# KiCad board TimeMachine.kicad_pcb
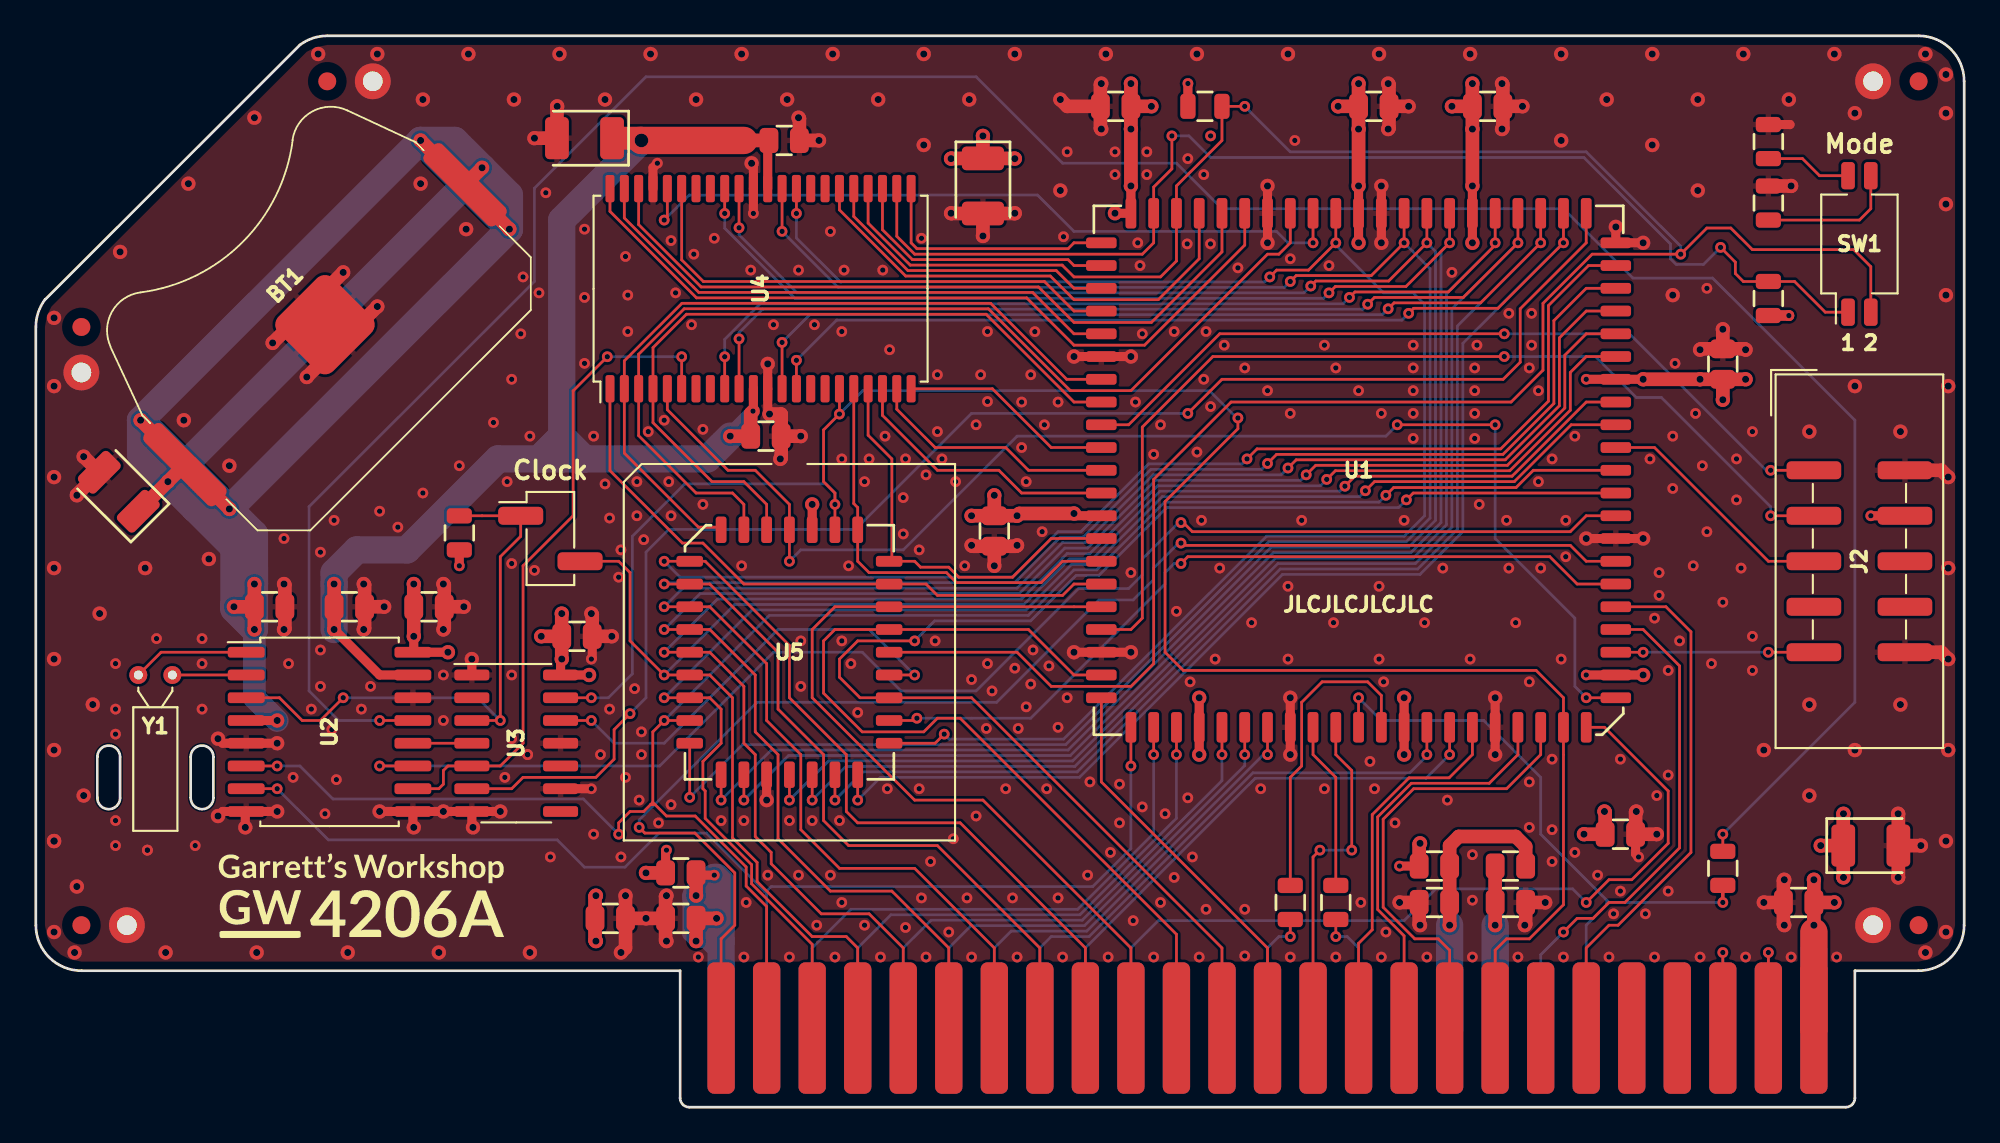
[diagram p0: board, top side]
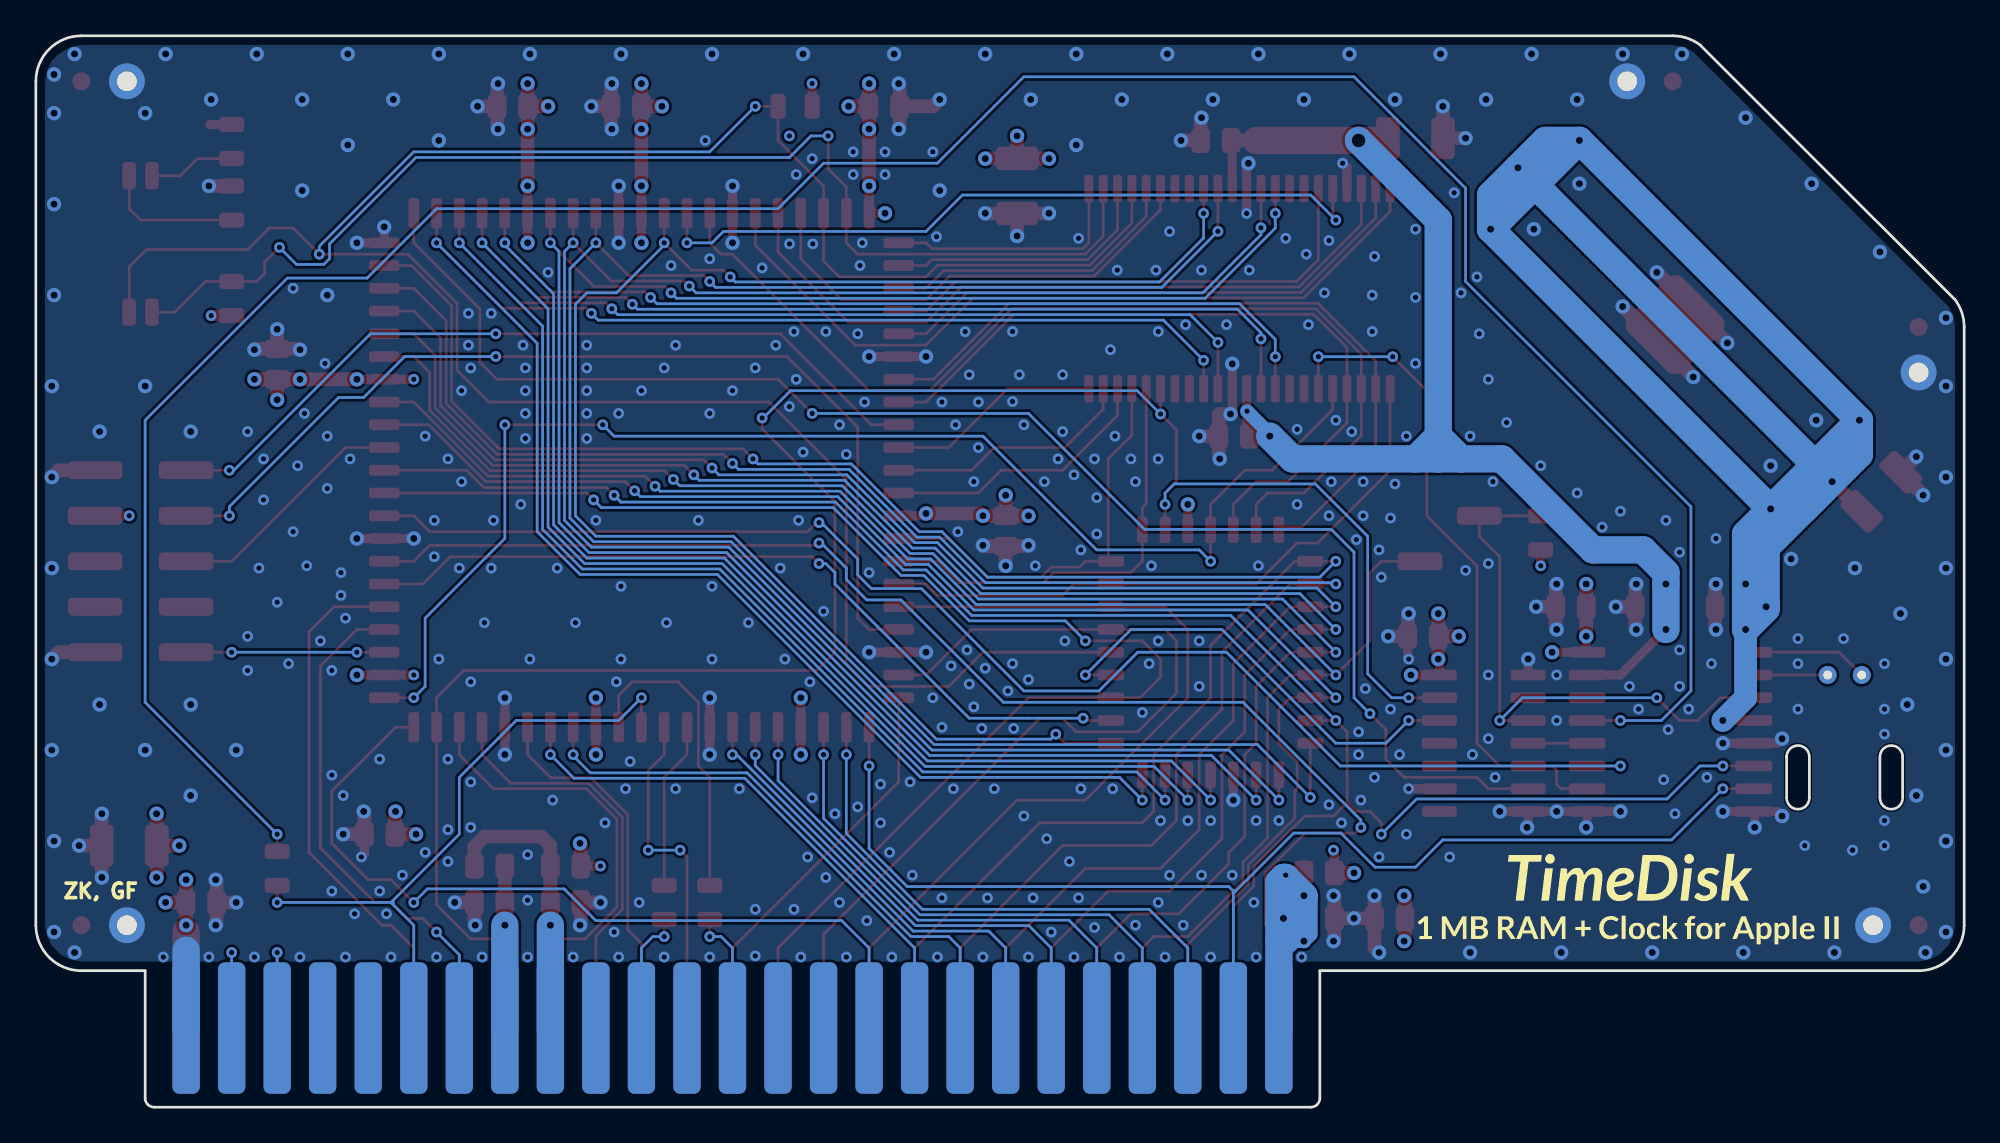
[diagram p1: board, bottom side, seen from below]

Outline 107.57 x 59.82 mm; copper layers: Top, In1.Cu (plane), In2.Cu (plane), Bottom. Coordinates in mm from the lower left corner of the outline.
Outline path: 0.51,45.09 arc(0.13,44.36) 0,43.56 0,10.16 arc(0.74,8.36) 2.54,7.62 35.94,7.62 35.94,0.51 arc(36.09,0.15) 36.45,0 100.97,0 arc(101.32,0.15) 101.47,0.51 101.47,7.62 105.03,7.62 arc(106.83,8.36) 107.57,10.16 107.57,57.28 arc(106.83,59.07) 105.03,59.82 16.26,59.82 arc(15.45,59.69) 14.73,59.31 0.51,45.08 ; 3.43,19.56 3.43,17.27 arc(4.06,16.64) 4.7,17.27 4.7,19.56 arc(4.06,20.19) 3.43,19.56 ; 8.64,19.56 8.64,17.27 arc(9.27,16.64) 9.91,17.27 9.91,19.56 arc(9.27,20.19) 8.64,19.56
Stack: Top 0.035mm / dielectric 0.48mm FR4 er 4.5 / In1.Cu 0.035mm / dielectric 0.48mm FR4 er 4.5 / In2.Cu 0.035mm / dielectric 0.48mm FR4 er 4.5 / Bottom 0.035mm

## Placement (name value [footprint] x y rotation side)
BT1  CR2032  [Keystone_3034_CR2032]  16.13 43.69 225 top
C1  2u2  [C_0805]  98.34 11.43 180 top
C2  2u2  [C_0805]  88.39 15.24 0 top
C3  2u2  [C_0805]  94.11 41.49 90 top
C4  2u2  [C_0805]  80.99 55.88 0 top
C5  2u2  [C_0805]  74.64 55.88 0 top
C6  2u2  [C_0805]  60.24 55.88 180 top
C7  2u2  [C_0805]  53.47 32.17 270 top
C8  2u2  [C_0805]  30.19 26.29 0 top
C9  2u2  [C_0805]  21.93 27.94 0 top
C10  DNP  [CP_EIA-3528]  102.36 14.6 0 top
C11  DNP  [CP_EIA-3528]  52.83 51.43 270 top
C12  10u  [C_0805]  13.04 27.94 0 top
C13  DNP  [CP_EIA-3528]  4.63 34.36 135 top
C14  10u  [C_0805]  17.49 27.94 0 top
C15  10u  [C_0805]  40.73 37.46 0 top
C16  10u  [C_0805]  41.74 53.97 0 top
C17  DNP  [CP_EIA-3528]  30.61 54.1 180 top
C18  2u2  [C_0805]  35.98 10.54 180 top
C19  2u2  [C_0805]  78.02 11.43 0 top
C20  DNP  [C_0805]  78.02 13.46 0 top
C21  2u2  [C_0805]  82.26 11.43 180 top
C24  DNP  [C_0805]  82.26 13.46 0 top
C25  DNP  [C_0805]  35.98 13.08 180 top
C26  2u2  [C_0805]  32.04 10.54 0 top
FID1  -  [Fiducial]  105.03 57.28 270 top
FID2  -  [Fiducial]  2.54 43.56 90 top
FID3  -  [Fiducial]  16.26 57.28 90 top
FID4  -  [Fiducial]  105.03 10.16 0 top
FID5  -  [Fiducial]  2.54 10.16 0 top
G***  -  [LOGO]  18.15 11.6 0 top
G***#2  -  [LOGO]  18.73 11.82 180 bottom
H1  -  [PasteHole_1.1mm_PTH]  102.49 57.28 270 top
H2  -  [PasteHole_1.1mm_PTH]  2.54 41.02 90 top
H3  -  [PasteHole_1.1mm_PTH]  18.8 57.28 90 top
H4  -  [PasteHole_1.1mm_PTH]  102.49 10.16 0 top
H5  -  [PasteHole_1.1mm_PTH]  5.08 10.16 0 top
J1  AppleIIBus  [AppleIIBus_Edge]  68.71 4.32 0 top
J2  JTAG  [IDC_SMD_2x05_P2.54mm_Vertical]  101.73 30.48 0 top
JP2  Clock  [PinHeader_1x02_P2.54mm_Vertical_SMD_Pin1Left]  28.7 31.75 0 top
R1  15  [R_0805]  69.98 11.43 270 top
R2  22k  [R_0805]  65.22 55.88 180 top
R3  15  [R_0805]  72.52 11.43 270 top
R4  22k  [R_0805]  23.62 32.06 270 top
R5  1k  [R_0805]  96.65 50.48 270 top
R6  15  [R_0805]  94.11 13.33 270 top
R7  22k  [R_0805]  96.65 45.15 270 top
R8  1k  [R_0805]  96.65 53.91 270 top
SW1  Mode  [SW_DIP_SPSTx02_Slide_DSHP02TS_P1.27mm]  101.73 48.2 0 top
U1  EPM7128SL84  [PLCC-84]  73.79 35.56 180 top
U2  DS1315S-5  [SOIC-16_7.5mm]  16.38 20.95 270 top
U3  74AHCT04  [SOIC-14_3.9mm]  26.8 20.32 270 top
U4  AS6C8008  [TSOP-II-44_400mil_P0.8mm]  40.43 45.7 0 top
U5  39F040  [PLCC-32_SMDSocket]  42.04 25.4 270 top
Y1  32k768  [Crystal_C26-LF_D2.1mm_L6.5mm_Horizontal]  5.72 24.13 0 top

## Footprints (pads in the part's own frame, mm; a bottom-side part is the same pattern mirrored in y, then rotated)
AppleIIBus_Edge
  rrect 1.524x7.34 smd: 1(-30.48,0.1) 2(-27.94,0.1) 3(-25.4,0.1) 4(-22.86,0.1) 5(-20.32,0.1) 6(-17.78,0.1) 7(-15.24,0.1) 8(-12.7,0.1) 9(-10.16,0.1) 10(-7.62,0.1) 11(-5.08,0.1) 12(-2.54,0.1) 13(0,0.1) 14(2.54,0.1) 15(5.08,0.1) 16(7.62,0.1) 17(10.16,0.1) 18(12.7,0.1) 19(15.24,0.1) 20(17.78,0.1) 21(20.32,0.1) 22(22.86,0.1) 23(25.4,0.1) 24(27.94,0.1) 25(30.48,0.1)
  rrect 1.524x7.34 smd far side: 26(30.48,0.1) 27(27.94,0.1) 28(25.4,0.1) 29(22.86,0.1) 30(20.32,0.1) 31(17.78,0.1) 32(15.24,0.1) 33(12.7,0.1) 34(10.16,0.1) 35(7.62,0.1) 36(5.08,0.1) 37(2.54,0.1) 38(0,0.1) 39(-2.54,0.1) 40(-5.08,0.1) 41(-7.62,0.1) 42(-10.16,0.1) 43(-12.7,0.1) 44(-15.24,0.1) 45(-17.78,0.1) 46(-20.32,0.1) 47(-22.86,0.1) 48(-25.4,0.1) 49(-27.94,0.1) 50(-30.48,0.1)
C_0805
  rrect 1.05x1.4 smd: 1(-0.85,0) 2(0.85,0)
CP_EIA-3528
  rrect 1.325x2.35 smd: 1(-1.538,0) 2(1.538,0)
Crystal_C26-LF_D2.1mm_L6.5mm_Horizontal
  round 1 hole 0.5: 1(0,0) 2(1.9,0)
Fiducial
  round 1 smd: ~(0,0)
IDC_SMD_2x05_P2.54mm_Vertical
  rrect 3.048x1 smd: 1(-2.54,5.08) 2(2.54,5.08) 3(-2.54,2.54) 4(2.54,2.54) 5(-2.54,0) 6(2.54,0) 7(-2.54,-2.54) 8(2.54,-2.54) 9(-2.54,-5.08) 10(2.54,-5.08)
Keystone_3034_CR2032
  rrect 1.397x5.588 smd: 1(-11.049,0) 1(11.049,0)
  rrect 4.3x4.3 smd: 2(0,0)
PasteHole_1.1mm_PTH
  round 2 hole 1.1: 1(0,0)
PinHeader_1x02_P2.54mm_Vertical_SMD_Pin1Left
  rrect 2.51x1 smd: 1(-1.655,1.27) 2(1.655,-1.27)
PLCC-32_SMDSocket
  rrect 1.475x0.6 smd: 1(-6.838,0) 2(-6.838,-1.27) 3(-6.838,-2.54) 4(-6.838,-3.81) 14(6.838,-3.81) 15(6.838,-2.54) 16(6.838,-1.27) 17(6.838,0) 18(6.838,1.27) 19(6.838,2.54) 20(6.838,3.81) 30(-6.838,3.81) 31(-6.838,2.54) 32(-6.838,1.27)
  rrect 0.6x1.475 smd: 5(-5.08,-5.562) 6(-3.81,-5.562) 7(-2.54,-5.562) 8(-1.27,-5.562) 9(0,-5.562) 10(1.27,-5.562) 11(2.54,-5.562) 12(3.81,-5.562) 13(5.08,-5.562) 21(5.08,5.562) 22(3.81,5.562) 23(2.54,5.562) 24(1.27,5.562) 25(0,5.562) 26(-1.27,5.562) 27(-2.54,5.562) 28(-3.81,5.562) 29(-5.08,5.562)
PLCC-84
  rrect 0.6x1.7 smd: 1(0,14.35) 2(-1.27,14.35) 3(-2.54,14.35) 4(-3.81,14.35) 5(-5.08,14.35) 6(-6.35,14.35) 7(-7.62,14.35) 8(-8.89,14.35) 9(-10.16,14.35) 10(-11.43,14.35) 11(-12.7,14.35) 33(-12.7,-14.35) 34(-11.43,-14.35) 35(-10.16,-14.35) 36(-8.89,-14.35) 37(-7.62,-14.35) 38(-6.35,-14.35) 39(-5.08,-14.35) 40(-3.81,-14.35) 41(-2.54,-14.35) 42(-1.27,-14.35) 43(0,-14.35) 44(1.27,-14.35) 45(2.54,-14.35) 46(3.81,-14.35) 47(5.08,-14.35) 48(6.35,-14.35) 49(7.62,-14.35) 50(8.89,-14.35) 51(10.16,-14.35) 52(11.43,-14.35) 53(12.7,-14.35) 75(12.7,14.35) 76(11.43,14.35) 77(10.16,14.35) 78(8.89,14.35) 79(7.62,14.35) 80(6.35,14.35) 81(5.08,14.35) 82(3.81,14.35) 83(2.54,14.35) 84(1.27,14.35)
  rrect 1.7x0.6 smd: 12(-14.35,12.7) 13(-14.35,11.43) 14(-14.35,10.16) 15(-14.35,8.89) 16(-14.35,7.62) 17(-14.35,6.35) 18(-14.35,5.08) 19(-14.35,3.81) 20(-14.35,2.54) 21(-14.35,1.27) 22(-14.35,0) 23(-14.35,-1.27) 24(-14.35,-2.54) 25(-14.35,-3.81) 26(-14.35,-5.08) 27(-14.35,-6.35) 28(-14.35,-7.62) 29(-14.35,-8.89) 30(-14.35,-10.16) 31(-14.35,-11.43) 32(-14.35,-12.7) 54(14.35,-12.7) 55(14.35,-11.43) 56(14.35,-10.16) 57(14.35,-8.89) 58(14.35,-7.62) 59(14.35,-6.35) 60(14.35,-5.08) 61(14.35,-3.81) 62(14.35,-2.54) 63(14.35,-1.27) 64(14.35,0) 65(14.35,1.27) 66(14.35,2.54) 67(14.35,3.81) 68(14.35,5.08) 69(14.35,6.35) 70(14.35,7.62) 71(14.35,8.89) 72(14.35,10.16) 73(14.35,11.43) 74(14.35,12.7)
R_0805
  rrect 0.85x1.4 smd: 1(-0.95,0) 2(0.95,0)
SOIC-14_3.9mm
  rrect 0.6x1.95 smd: 1(-3.81,-2.475) 2(-2.54,-2.475) 3(-1.27,-2.475) 4(0,-2.475) 5(1.27,-2.475) 6(2.54,-2.475) 7(3.81,-2.475) 8(3.81,2.475) 9(2.54,2.475) 10(1.27,2.475) 11(0,2.475) 12(-1.27,2.475) 13(-2.54,2.475) 14(-3.81,2.475)
SOIC-16_7.5mm
  rrect 0.6x2.05 smd: 1(-4.445,-4.65) 2(-3.175,-4.65) 3(-1.905,-4.65) 4(-0.635,-4.65) 5(0.635,-4.65) 6(1.905,-4.65) 7(3.175,-4.65) 8(4.445,-4.65) 9(4.445,4.65) 10(3.175,4.65) 11(1.905,4.65) 12(0.635,4.65) 13(-0.635,4.65) 14(-1.905,4.65) 15(-3.175,4.65) 16(-4.445,4.65)
SW_DIP_SPSTx02_Slide_DSHP02TS_P1.27mm
  rrect 0.76x1.524 smd: 1(-0.635,-3.81) 2(0.635,-3.81) 3(0.635,3.81) 4(-0.635,3.81)
TSOP-II-44_400mil_P0.8mm
  rrect 0.5x1.525 smd: 1(-8.4,-5.588) 2(-7.6,-5.588) 3(-6.8,-5.588) 4(-6,-5.588) 5(-5.2,-5.588) 6(-4.4,-5.588) 7(-3.6,-5.588) 8(-2.8,-5.588) 9(-2,-5.588) 10(-1.2,-5.588) 11(-0.4,-5.588) 12(0.4,-5.588) 13(1.2,-5.588) 14(2,-5.588) 15(2.8,-5.588) 16(3.6,-5.588) 17(4.4,-5.588) 18(5.2,-5.588) 19(6,-5.588) 20(6.8,-5.588) 21(7.6,-5.588) 22(8.4,-5.588) 23(8.4,5.588) 24(7.6,5.588) 25(6.8,5.588) 26(6,5.588) 27(5.2,5.588) 28(4.4,5.588) 29(3.6,5.588) 30(2.8,5.588) 31(2,5.588) 32(1.2,5.588) 33(0.4,5.588) 34(-0.4,5.588) 35(-1.2,5.588) 36(-2,5.588) 37(-2.8,5.588) 38(-3.6,5.588) 39(-4.4,5.588) 40(-5.2,5.588) 41(-6,5.588) 42(-6.8,5.588) 43(-7.6,5.588) 44(-8.4,5.588)

## Nets
+5V: C1.1 C2.1 C3.1 C4.1 C5.1 C6.1 C7.1 C8.1 C9.1 C10.1 C11.1 C20.1 C25.2 C26.1 J1.25 J2.4 R2.2 R4.2 R7.2 U1.3 U1.13 U1.26 U1.38 U1.43 U1.53 U1.66 U1.78 U2.16 U3.14 U5.32
+12V: C18.1 C25.1 J1.50
-5V: C19.2 C20.2 C24.2 J1.34
-12V: C21.2 C24.1 J1.33
GND: BT1.2 C1.2 C2.2 C3.2 C4.2 C5.2 C6.2 C7.2 C8.2 C9.2 C10.2 C11.2 C12.2 C13.2 C14.2 C15.2 C16.2 C17.2 C18.2 C19.1 C21.1 C26.2 H1.1 H2.1 H3.1 H4.1 H5.1 J1.26 J2.2 J2.10 R5.1 R8.1 U1.7 U1.19 U1.32 U1.42 U1.47 U1.59 U1.72 U1.82 U2.5 U2.8 U2.9 U2.14 U3.1 U3.7 U3.9 U3.11 U4.12 U4.34 U4.41 U5.16
+5C: C14.1 C15.1 C16.1 C17.1 U2.15 U4.11 U4.33
+BATT: BT1.1 C12.1 C13.1 U2.4
/7M: J1.36 R3.2
/7Mr: R3.1 U1.83
/A0: J1.2 U1.22 U2.6 U5.12
/A1: J1.3 U1.24 U5.11
/A2: J1.4 JP2.2 U1.25 U5.10
/A3: J1.5 U1.27 U5.9
/A4: J1.6 U1.28 U5.8
/A5: J1.7 U1.29 U5.7
/A6: J1.8 U1.30 U5.6
/A7: J1.9 U1.31 U5.5
/A8: J1.10 U1.70 U5.27
/A9: J1.11 U1.73 U5.26
/A10: J1.12 U1.21 U5.23
/A11: J1.13 U1.74
/A12: J1.14 U1.84
/A13: J1.15 U1.6
/A14: J1.16 U1.8
/A15: J1.17 U1.9
/COLORREF: J1.35
/C~{RES}: R6.1 U2.13
/D0: J1.49 U1.75 U2.7
/D1: J1.48 U1.76
/D2: J1.47 U1.77
/D3: J1.46 U1.79
/D4: J1.45 U1.80
/D5: J1.44 U1.81
/D6: J1.43 U1.4
/D7: J1.42 U1.5
/DMA: J1.22
/DMAin: J1.24 J1.27
/DS~{OE}: U2.12 U3.4
/DS~{WE}: JP2.1 R4.1 U2.3 U3.3
/INTin: J1.23 J1.28
/PHI0: J1.40
/PHI1: J1.38 R1.2
/PHI1r: R1.1 U1.2
/Q3: J1.37
/RA0: U1.55 U4.25
/RA1: R7.1 SW1.1 U1.52 U4.24
/RA2: U1.54 U4.23
/RA3: U1.63 U4.22
/RA4: U1.64 U4.21
/RA5: U1.48 U4.44
/RA6: U1.58 U4.43
/RA7: U1.49 U4.42
/RA8: U1.57 U4.39
/RA9: U1.50 U4.28
/RA10: U1.56 U4.27
/RA11: R2.1 SW1.2 U1.51 U4.26 U5.25
/RA12: U1.60 U4.2 U5.4
/RA13: U1.69 U4.1 U5.28
/RA14: U1.67 U4.19 U5.29
/RA15: U1.46 U4.3 U5.3
/RA16: U1.61 U4.4 U5.2
/RA17: U1.68 U4.18 U5.30
/RA18: U1.12 U4.5 U5.1
/RA19: U1.65 U4.20
/RAMCS: U1.45 U4.40
/RAMROMCSgb: U1.33 U3.6
/RAMROM~{CS}: U1.20 U2.11
/RAMROM~{CS}g: U2.10 U3.5 U4.6
/RD0: U1.41 U4.32 U5.13
/RD1: U1.40 U4.35 U5.14
/RD2: U1.39 U4.36 U5.15
/RD3: U1.37 U4.9 U5.17
/RD4: U1.36 U4.10 U5.18
/RD5: U1.35 U4.13 U5.19
/RD6: U1.34 U4.14 U5.20
/RD7: U1.44 U4.31 U5.21
/RDY: J1.21
/ROM~{CS}: U1.17 U5.22
/R~{W}: J1.18 U1.10 U3.13 U4.17 U5.31
/TCK: J2.1 U1.62
/TDI: J2.9 U1.14
/TDO: J2.3 U1.71
/TMS: J2.5 U1.23
/USER1: J1.39
/VIDSYNC: J1.19
/~{DEVSEL}: J1.41 U1.11
/~{INH}: J1.32 U1.15
/~{IOSEL}: J1.1 U1.18
/~{IOSTRB}: J1.20 U1.16
/~{IRQ}: J1.30
/~{NMI}: J1.29
/~{OE}: U3.12 U5.24
/~{RES}: J1.31 R6.2 U1.1
Net-(R8-Pad2): R8.2 SW1.4
Net-(SW1-Pad3): R5.2 SW1.3
Net-(U2-Pad1): U2.1 Y1.1
Net-(U2-Pad2): U2.2 Y1.2

Pads without a net: FID1 ~; FID2 ~; FID3 ~; FID4 ~; FID5 ~; J2 6 7 8; U3 2 8 10; U4 7 8 15 16 29 30 37 38

## Via types
v1: diameter 0.8, hole 0.4, Top to Bottom, 242 vias
v2: diameter 0.6, hole 0.3, Top to Bottom, 452 vias
v3: diameter 1.524, hole 0.762, Top to Bottom, 1 via

## Routing (per net, layer and track width the routed paths; a pad name or vN(x,y) marks a point on that pad's centre or on a via; arc(x,y) is an arc through that point)
+5V: length 105.1
  Top w0.508: v1(22.99,25.4) U2.16 21.08,25.45 v1(21.08,26.29) ; 23.62,31.11 v2(23.62,30.23) ; U5.32 v1(43.31,33.65) ; v1(30.86,24.13) U3.14 29.27,24.95 v1(29.34,25.02) ; v1(76.33,22.86) U1.3 v1(76.33,19.68) ; v1(89.66,40.64) U1.26 v2(86.49,40.64) ; v1(73.79,48.26) U1.43 v1(73.79,51.43) ; v1(64.9,19.68) U1.78 v1(64.9,22.86) ; v1(80.14,48.26) U1.38 v1(80.14,51.43) ; v2(86.49,24.13) U1.13 v1(89.66,24.13) ; v1(61.09,51.43) U1.53 60.2,49.91 v1(60.2,49.91) ; 104.37,33.02 v2(102.36,33.02) ; v2(35.18,14.35) 35.13,14.3 C25.2 ; U1.66 58.04,33.02 v1(57.91,33.15) ; C20.1 v2(76.07,13.46) ; v2(64.27,57.15) R2.2
  Top w0.6: v2(97.79,44.2) 97.78,44.2 R7.2
  Top w0.762: v1(21.08,29.21) C9.1 v1(21.08,26.29) ; C11.1 54.6,52.97 v1(54.61,52.96) ; C11.1 v1(52.83,54.23) ; C11.1 51.07,52.97 v1(51.05,52.96) ; v1(29.34,25.02) C8.1 ; C8.1 v1(29.34,27.56) ; C8.1 v1(28.19,26.29) ; C1.1 v1(100.33,11.43) ; C1.1 v1(99.19,12.7) ; C1.1 v1(99.19,10.16) 99.19,9.78 ; C4.1 v1(80.14,57.15) ; C4.1 v1(80.14,54.61) v1(80.14,51.43) ; C4.1 v1(78.99,55.88) ; C6.1 v1(61.09,54.61) v1(61.09,51.43) ; C6.1 v1(61.09,57.15) ; C6.1 v1(62.23,55.88) ; C5.1 v1(73.79,57.15) ; C5.1 v1(72.64,55.88) ; C5.1 v1(73.79,54.61) v1(73.79,51.43) ; v1(86.36,15.24) C2.1 87.54,16.47 v1(87.5,16.51) ; C3.1 v1(95.38,40.64) ; C3.1 v1(94.11,39.5) ; C3.1 v1(92.84,40.64) v1(89.66,40.64) ; C7.1 v1(53.47,34.16) ; C7.1 v1(52.2,33.02) ; C7.1 v1(54.74,33.02) 54.86,33.15 v1(57.91,33.15) ; v1(100.84,12.83) 100.82,12.84 C10.1 ; C10.1 100.82,16.37 v1(100.84,16.38) ; C10.1 v1(99.57,14.6) ; C25.2 v1(34.04,13.08) ; C20.1 77.17,14.68 v1(77.22,14.73) ; v1(31.24,9.27) 31.19,9.32 C26.1 31.19,11.76 v1(31.24,11.81)
  Top w1.524: 99.19,4.32 99.19,9.78
+12V: length 35.9
  Top w0.508: v2(37.85,12.95) 36.96,12.95 C25.1
  Top w0.762: v1(37.97,10.54) C18.1 v1(36.83,9.27) ; C25.1 v1(36.83,11.81)
  Bottom w0.762: v1(37.97,10.54) 37.21,10.54 36.83,10.16 ; 36.83,10.16 38.23,8.76 38.23,4.32 38.23,8.38 37.34,9.27 v1(36.83,9.27) ; 36.83,10.16 v1(36.83,9.27) ; v1(36.83,9.27) 36.45,9.65 36.45,11.81 v1(36.83,11.81) ; v1(36.83,9.27) 38.23,9.27
  Bottom w1.524: 38.23,4.32 38.23,10.29 ; 38.23,10.29 v1(37.97,10.54) 36.83,11.68 v1(36.83,11.81) 37.85,12.83 37.97,12.83 38.23,12.57 38.23,10.29
-5V: length 16.1
  Top w0.762: v1(78.87,10.16) C19.2 C20.2 78.87,14.6 79.38,15.11 82.55,15.11 83.11,14.56 C24.2
  Bottom w1.524: 78.87,4.32 v1(78.87,10.16)
-12V: length 9.1
  Top w0.762: v1(81.41,10.16) C21.2 C24.1
  Bottom w1.524: 81.41,4.32 v1(81.41,10.16)
GND: length 153.4
  Top w0.508: U2.9 v1(19.18,16.51) ; U2.9 21.03,15.67 v1(21.08,15.62) ; U2.9 v1(22.73,16.51) U3.7 ; v1(11.68,15.62) 11.68,16.46 U2.8 ; U2.8 v1(13.46,16.51) ; U2.8 10.41,16.51 v1(10.16,16.26) ; v1(13.46,20.32) U2.5 10.41,20.32 v1(10.16,20.57) ; v1(40.83,41.5) U4.12 40.83,38.8 v1(40.93,38.7) ; v2(40.03,49.9) U4.34 40.03,52.6 v1(39.93,52.7) ; C8.2 31.04,25.07 v2(30.99,25.02) ; U3.7 v1(25.91,16.51) ; U3.7 24.32,15.68 v1(24.38,15.62) ; v2(89.41,13.97) 89.24,14.14 C2.2 ; v1(88.14,49.15) 88.14,49.15 U1.32 v1(89.66,48.26) ; v1(61.09,25.4) U1.72 v1(57.91,25.4) ; v1(81.41,19.68) U1.7 v1(81.41,22.86) ; v1(75.06,48.26) U1.42 v1(75.06,51.43) ; v1(68.71,51.43) U1.47 v1(68.71,48.26) ; v1(61.09,41.91) U1.59 v1(57.91,41.91) ; v1(69.98,19.68) U1.82 v1(69.98,22.86) ; v1(86.49,31.75) U1.19 v1(89.66,31.75) ; U5.16 v1(40.77,17.14) ; U4.41 34.43,52.46 v2(34.67,52.7) ; R8.1 97.85,54.86 97.85,54.86 ; U3.9 v2(30.99,17.78) ; U3.1 24.32,25.02 v1(24.32,25.02)
  Top w0.762: v1(27.81,54.1) C17.2 29.07,55.87 v1(29.08,55.88) ; C6.2 57.53,55.88 v1(57.15,56.26) ; C6.2 59.39,57.1 v1(59.44,57.15) ; C6.2 59.39,54.66 v1(59.44,54.61) ; v1(13.84,26.67) 13.89,26.72 C12.2 13.89,29.16 v1(13.84,29.21) ; v1(22.73,29.21) 22.78,29.16 C9.2 ; C14.2 18.34,29.16 v1(18.29,29.21) ; C14.2 v1(19.43,27.94) ; C14.2 18.34,26.72 v1(18.29,26.67) ; C9.2 v1(23.88,27.94) ; C9.2 22.78,26.72 v1(22.73,26.67) ; v1(54.61,49.91) 54.6,49.9 C11.2 ; C11.2 51.07,49.9 v1(51.05,49.91) ; C11.2 v1(52.83,48.64) ; v1(30.99,27.56) 31.04,27.51 C8.2 v1(32.13,26.29) ; v1(42.54,55.24) 42.59,55.2 C16.2 v1(43.69,53.97) ; v1(2.29,34.16) 2.29,34.19 C13.2 v1(2.67,36.32) ; v1(41.53,36.19) 41.58,36.24 41.58,37.46 ; 41.58,37.46 v1(42.67,37.46) ; 41.58,37.46 41.58,38.69 41.56,38.7 v1(40.93,38.7) ; v1(83.06,10.16) 83.11,10.21 C21.1 v1(84.2,11.43) ; C1.2 97.49,10.21 v1(97.54,10.16) ; C1.2 97.49,12.65 v1(97.54,12.7) ; C1.2 v1(96.39,11.43) ; v1(76.07,11.43) C19.1 77.17,10.21 v1(77.22,10.16) ; v1(90.42,15.24) C2.2 89.24,16.47 v1(89.28,16.51) ; C3.2 95.33,42.34 v1(95.38,42.29) ; C3.2 v1(94.11,43.43) ; C3.2 92.89,42.34 v1(92.84,42.29) ; C4.2 v1(82.93,55.88) ; C4.2 81.84,54.66 v1(81.79,54.61) ; C4.2 81.84,57.1 v1(81.79,57.15) ; C5.2 v1(76.58,55.88) ; C5.2 75.49,57.1 v1(75.44,57.15) ; C5.2 75.49,54.66 v1(75.44,54.61) ; 104.37,25.4 106.3,25.4 v1(106.68,25.02) ; 104.37,35.56 106.3,35.56 v1(106.68,35.18) ; C7.2 v1(53.47,30.23) ; C7.2 52.25,31.32 v1(52.2,31.37) ; C7.2 54.69,31.32 v1(54.74,31.37) ; C18.2 v1(34.04,10.54) C26.2 ; C18.2 35.13,9.32 v1(35.18,9.27) ; C18.2 35.13,11.76 v1(35.18,11.81) ; v1(103.89,16.38) 103.9,16.37 C10.2 ; C10.2 103.9,12.84 v1(103.89,12.83) ; C10.2 v1(105.16,14.6) ; C26.2 32.89,8.89 v1(32.64,8.64) ; C26.2 v1(32.89,11.81) ; BT1.2 16.13,41.78 v1(15.11,40.77) ; BT1.2 16.13,45.59 v1(17.14,46.61) ; BT1.2 14.22,43.69 v1(13.21,42.67) ; BT1.2 18.03,43.69 v1(19.05,44.7) ; v1(97.92,51.43) 97.91,51.43 R5.1
  Bottom w1.524: 99.19,4.32 99.19,8.76
  vias: v1(1.02,44.07) v1(1.02,40.26) v1(1.02,35.18) v1(1.02,30.1) v1(1.02,25.02) v1(1.02,19.94) v1(1.02,14.86) v1(1.02,14.86) v1(1.02,9.78) v1(2.16,8.64) v1(2.29,12.32) v1(2.67,17.4) v1(3.17,22.48) v1(3.56,27.56) v1(4.7,47.75) v1(6.1,30.1) v1(7.24,8.64) v1(8.25,38.35) v1(8.51,51.56) v1(9.65,30.61) v1(10.79,35.81) v1(12.19,55.24) v1(12.32,8.64) v1(15.75,58.8) v1(17.4,8.64) v1(19.05,58.8) v1(21.46,51.56) v1(21.59,56.26) v1(22.48,8.64) v1(24,49.02) v1(24.13,58.8) v1(26.67,56.26) v1(27.56,8.64) v1(29.21,58.8) v1(31.75,56.26) v1(34.29,58.8) v1(36.83,56.26) v1(39.37,58.8) v1(41.91,56.26) v1(44.45,58.8) v1(46.99,56.26) v1(49.53,58.8) v1(49.53,53.72) v1(52.07,56.26) v1(54.61,58.8) v1(57.15,51.18) v1(59.69,58.8) v1(64.77,58.8) v1(69.85,58.8) v1(74.93,58.8) v1(80.01,58.8) v1(85.09,58.8) v1(85.09,53.97) v1(87.63,56.26) v1(90.17,58.8) v1(90.17,53.72) v1(91.31,45.34) v1(92.71,56.26) v1(92.71,51.18) v1(95.25,58.8) v1(96.39,19.94) v1(97.79,56.26) v1(98.93,37.72) v1(98.93,22.48) v1(98.93,17.4) v1(100.33,58.8) v1(101.47,55.5) v1(101.47,40.26) v1(101.47,19.94) v1(104.01,37.72) v1(104.01,22.48) v1(105.41,58.8) v1(105.41,8.64) v1(106.55,57.66) v1(106.55,55.5) v1(106.55,50.42) v1(106.55,45.34) v1(106.55,14.86) v1(106.55,9.78) v1(106.68,40.26) v1(106.68,30.1) v1(106.68,19.94) v2(4.44,24.76) v2(4.44,22.22) v2(4.44,20.83) v2(4.44,16) v2(4.44,14.6) v2(6.22,14.35) v2(6.22,14.35) v2(6.73,26.16) v2(8.89,14.6) v2(9.27,26.16) v2(9.27,24.76) v2(9.27,22.22) v2(13.84,31.75) v2(14.1,24.76) v2(14.35,18.41) v2(15.37,22.22) v2(15.88,30.99) v2(15.88,25.53) v2(15.88,23.49) v2(16.13,16.38) v2(16.51,21.08) v2(16.64,32.77) v2(16.76,18.29) v2(18.16,22.22) v2(18.67,23.49) v2(19.18,33.27) v2(20.19,32.38) v2(21.59,34.29) v2(22.73,24.13) v2(22.73,21.59) v2(23.62,35.81) v2(25.53,38.23) v2(26.16,18.41) v2(26.29,34.92) v2(26.54,40.64) v2(26.54,30.35) v2(26.54,24.13) v2(26.54,20.57) v2(27.05,43.18) v2(27.18,46.35) v2(27.43,19.68) v2(27.43,19.68) v2(27.56,37.46) v2(27.81,29.97) v2(28.07,45.47) v2(28.45,51.05) v2(28.7,13.97) v2(30.61,49.02) v2(30.61,45.21) v2(30.61,41.53) v2(31.11,37.46) v2(31.11,15.24) v2(31.5,19.68) v2(31.75,34.8) v2(32,32.89) v2(32,22.22) v2(32.51,29.59) v2(32.64,31.11) v2(32.64,13.97) v2(32.89,47.5) v2(32.89,18.41) v2(33.02,45.34) v2(33.02,43.31) v2(33.4,23.37) v2(33.53,34.92) v2(33.53,33.02) v2(33.66,17.14) v2(33.78,20.95) v2(33.78,19.68) v2(33.91,31.69) v2(34.16,37.72) v2(34.73,15.87) v2(35.05,38.35) v2(35.31,34.92) v2(35.43,48.39) v2(35.43,33.02) v2(35.43,16.89) v2(35.69,45.47) v2(36.58,43.69) v2(36.7,47.62) v2(36.96,8.38) v2(37.21,37.85) v2(37.21,33.65) v2(37.85,48.51) v2(38.23,16) v2(39.37,30.23) v2(39.5,16) v2(39.5,8.38) v2(39.62,11.43) v2(39.88,46.74) v2(40.83,12.95) v2(41.15,43.69) v2(42.04,16) v2(42.04,8.38) v2(42.54,46.74) v2(42.54,12.95) v2(42.67,26.03) v2(42.67,23.49) v2(43.31,16) v2(43.43,43.69) v2(43.56,10.16) v2(44.32,48.89) v2(44.32,12.95) v2(44.58,8.38) v2(44.83,16) v2(44.96,43.31) v2(44.96,36.19) v2(44.96,26.03) v2(44.96,11.43) v2(45.08,46.74) v2(45.34,30.23) v2(45.47,24.76) v2(45.85,22.03) v2(46.23,34.92) v2(46.23,10.16) v2(46.48,36.19) v2(47.12,8.38) v2(47.24,46.74) v2(47.37,37.46) v2(47.5,17.78) v2(47.62,42.29) v2(48.39,34.04) v2(48.39,32) v2(48.51,36.19) v2(48.51,10.03) v2(49.28,31.11) v2(49.28,17.78) v2(49.4,48.51) v2(49.4,11.68) v2(49.66,35.31) v2(49.66,8.38) v2(49.91,13.72) v2(50.16,26.03) v2(50.29,40.89) v2(50.29,37.72) v2(50.55,36.19) v2(50.93,9.78) v2(51.18,14.99) v2(51.31,34.92) v2(51.82,30.23) v2(51.94,11.68) v2(52.2,23.88) v2(52.2,8.38) v2(52.45,38.1) v2(52.45,16.26) v2(52.7,40.89) v2(53.02,21.15) v2(53.09,43.31) v2(53.09,39.4) v2(53.09,24.76) v2(53.34,23.24) v2(54.1,17.78) v2(54.48,11.68) v2(54.61,24.51) v2(54.74,8.38) v2(54.8,21.15) v2(54.99,39.37) v2(54.99,36.83) v2(55.25,34.92) v2(55.25,22.35) v2(55.5,40.89) v2(55.5,23.62) v2(55.63,25.53) v2(55.73,43.3) v2(56.13,32.13) v2(56.26,38.1) v2(56.39,17.78) v2(56.51,24.64) v2(57.02,39.37) v2(57.02,21.21) v2(57.02,11.68) v2(57.28,8.38) v2(57.33,48.6) v2(57.53,53.34) v2(57.53,22.86) v2(58.67,12.95) v2(58.8,18.16) v2(59.82,8.38) v2(59.94,14.22) v2(60.2,53.34) v2(60.2,52.07) v2(60.45,18.03) v2(60.45,15.87) v2(61.09,29.84) v2(61.21,10.41) v2(61.34,39.37) v2(61.47,48.26) v2(61.59,46.99) v2(61.72,43.18) v2(61.72,16.76) v2(61.98,53.34) v2(61.98,52.07) v2(62.36,36.45) v2(62.36,8.38) v2(62.74,38.1) v2(62.74,11.43) v2(62.99,16.38) v2(63.5,43.31) v2(63.5,12.83) v2(63.63,27.69) v2(64.26,52.96) v2(64.23,48.2) v2(64.26,17.27) v2(64.39,23.75) v2(64.52,13.97) v2(64.77,36.58) v2(64.9,8.38) v2(65.02,32.77) v2(65.15,52.07) v2(65.15,40.64) v2(65.28,43.31) v2(65.28,11.05) v2(65.53,48.2) v2(65.53,39.12) v2(65.79,25.02) v2(66.04,30.1) v2(66.29,42.54) v2(67.06,46.86) v2(67.44,41.27) v2(67.44,11.05) v2(67.44,8.45) v2(67.82,27.05) v2(68.33,17.78) v2(68.71,40) v2(69.85,29.08) v2(69.85,25.02) v2(69.98,47.37) v2(69.98,38.73) v2(69.98,8.38) v2(70.23,53.97) v2(70.61,32.77) v2(71.88,42.54) v2(71.88,17.78) v2(72.14,46.99) v2(72.39,27.05) v2(72.52,41.27) v2(72.52,8.38) v2(73.79,40) v2(73.91,11.43) v2(74.42,19.3) v2(74.68,17.78) v2(74.93,29.08) v2(74.93,25.02) v2(75.06,38.73) v2(75.06,8.38) v2(75.18,23.75) v2(75.31,9.78) v2(75.82,15.87) v2(76.33,32.77) v2(76.83,42.54) v2(76.83,41.27) v2(76.83,40) v2(76.83,38.73) v2(76.83,37.34) v2(77.47,27.05) v2(77.6,8.38) v2(78.49,30.1) v2(78.74,17.14) v2(78.99,46.61) v2(80.01,25.02) v2(80.14,14.1) v2(80.14,11.56) v2(80.14,8.38) v2(80.26,41.27) v2(80.26,40) v2(80.26,38.73) v2(80.26,37.34) v2(80.39,42.54) v2(80.52,33.65) v2(82.04,32.77) v2(82.17,44.32) v2(82.17,30.1) v2(82.55,27.05) v2(82.68,8.38) v2(83.31,41.27) v2(83.31,23.75) v2(83.31,18.16) v2(83.31,15.62) v2(83.44,44.32) v2(83.44,42.54) v2(83.82,40) v2(83.82,34.92) v2(83.95,30.1) v2(84.58,36.19) v2(84.58,19.43) v2(84.58,15.49) v2(84.58,13.72) v2(85.09,25.02) v2(85.22,8.38) v2(85.34,32.77) v2(85.34,30.73) v2(85.85,37.46) v2(85.85,14.22) v2(87.12,12.95) v2(87.76,8.38) v2(88.01,10.79) v2(88.39,19.43) v2(88.39,12.06) v2(89.79,10.79) v2(90.04,36.19) v2(90.3,27.3) v2(90.3,8.38) v2(90.42,17.4) v2(90.55,29.84) v2(90.55,28.57) v2(91.06,24.38) v2(91.06,18.54) v2(91.06,12.06) v2(91.31,37.46) v2(91.31,34.54) v2(91.44,41.53) v2(91.69,26.03) v2(92.46,30.23) v2(92.58,38.73) v2(92.84,8.38) v2(92.96,35.81) v2(93.22,45.72) v2(93.22,32.13) v2(93.47,24.76) v2(94.11,28.19) v2(94.87,36.19) v2(94.87,33.91) v2(95.12,30.1) v2(95.38,8.38) v2(95.76,37.72) v2(95.76,26.29) v2(95.76,24.38) v2(97.92,8.38) v2(100.46,8.38)